# Altium PCB Graviton-RB1.PcbDoc (part 10 of 11)
Units mil, origin at the board's own origin, x right, y up, seen from the top; angles counter-clockwise.
Board outline 7874.02 x 7874.02 mil, 10 copper layers (Top Layer, Internal Plane 1, Signal Layer 1, Internal Plane 2, Signal Layer 2, Signal Layer 3, Internal Plane 3, Signal Layer 4, Internal Plane 4, Bottom Layer), stack 65.914 mil thick; 1299 components, 1517 nets, 7968 pads, 1791 vias.
Unrouted connection lines stored in the file: 4618.
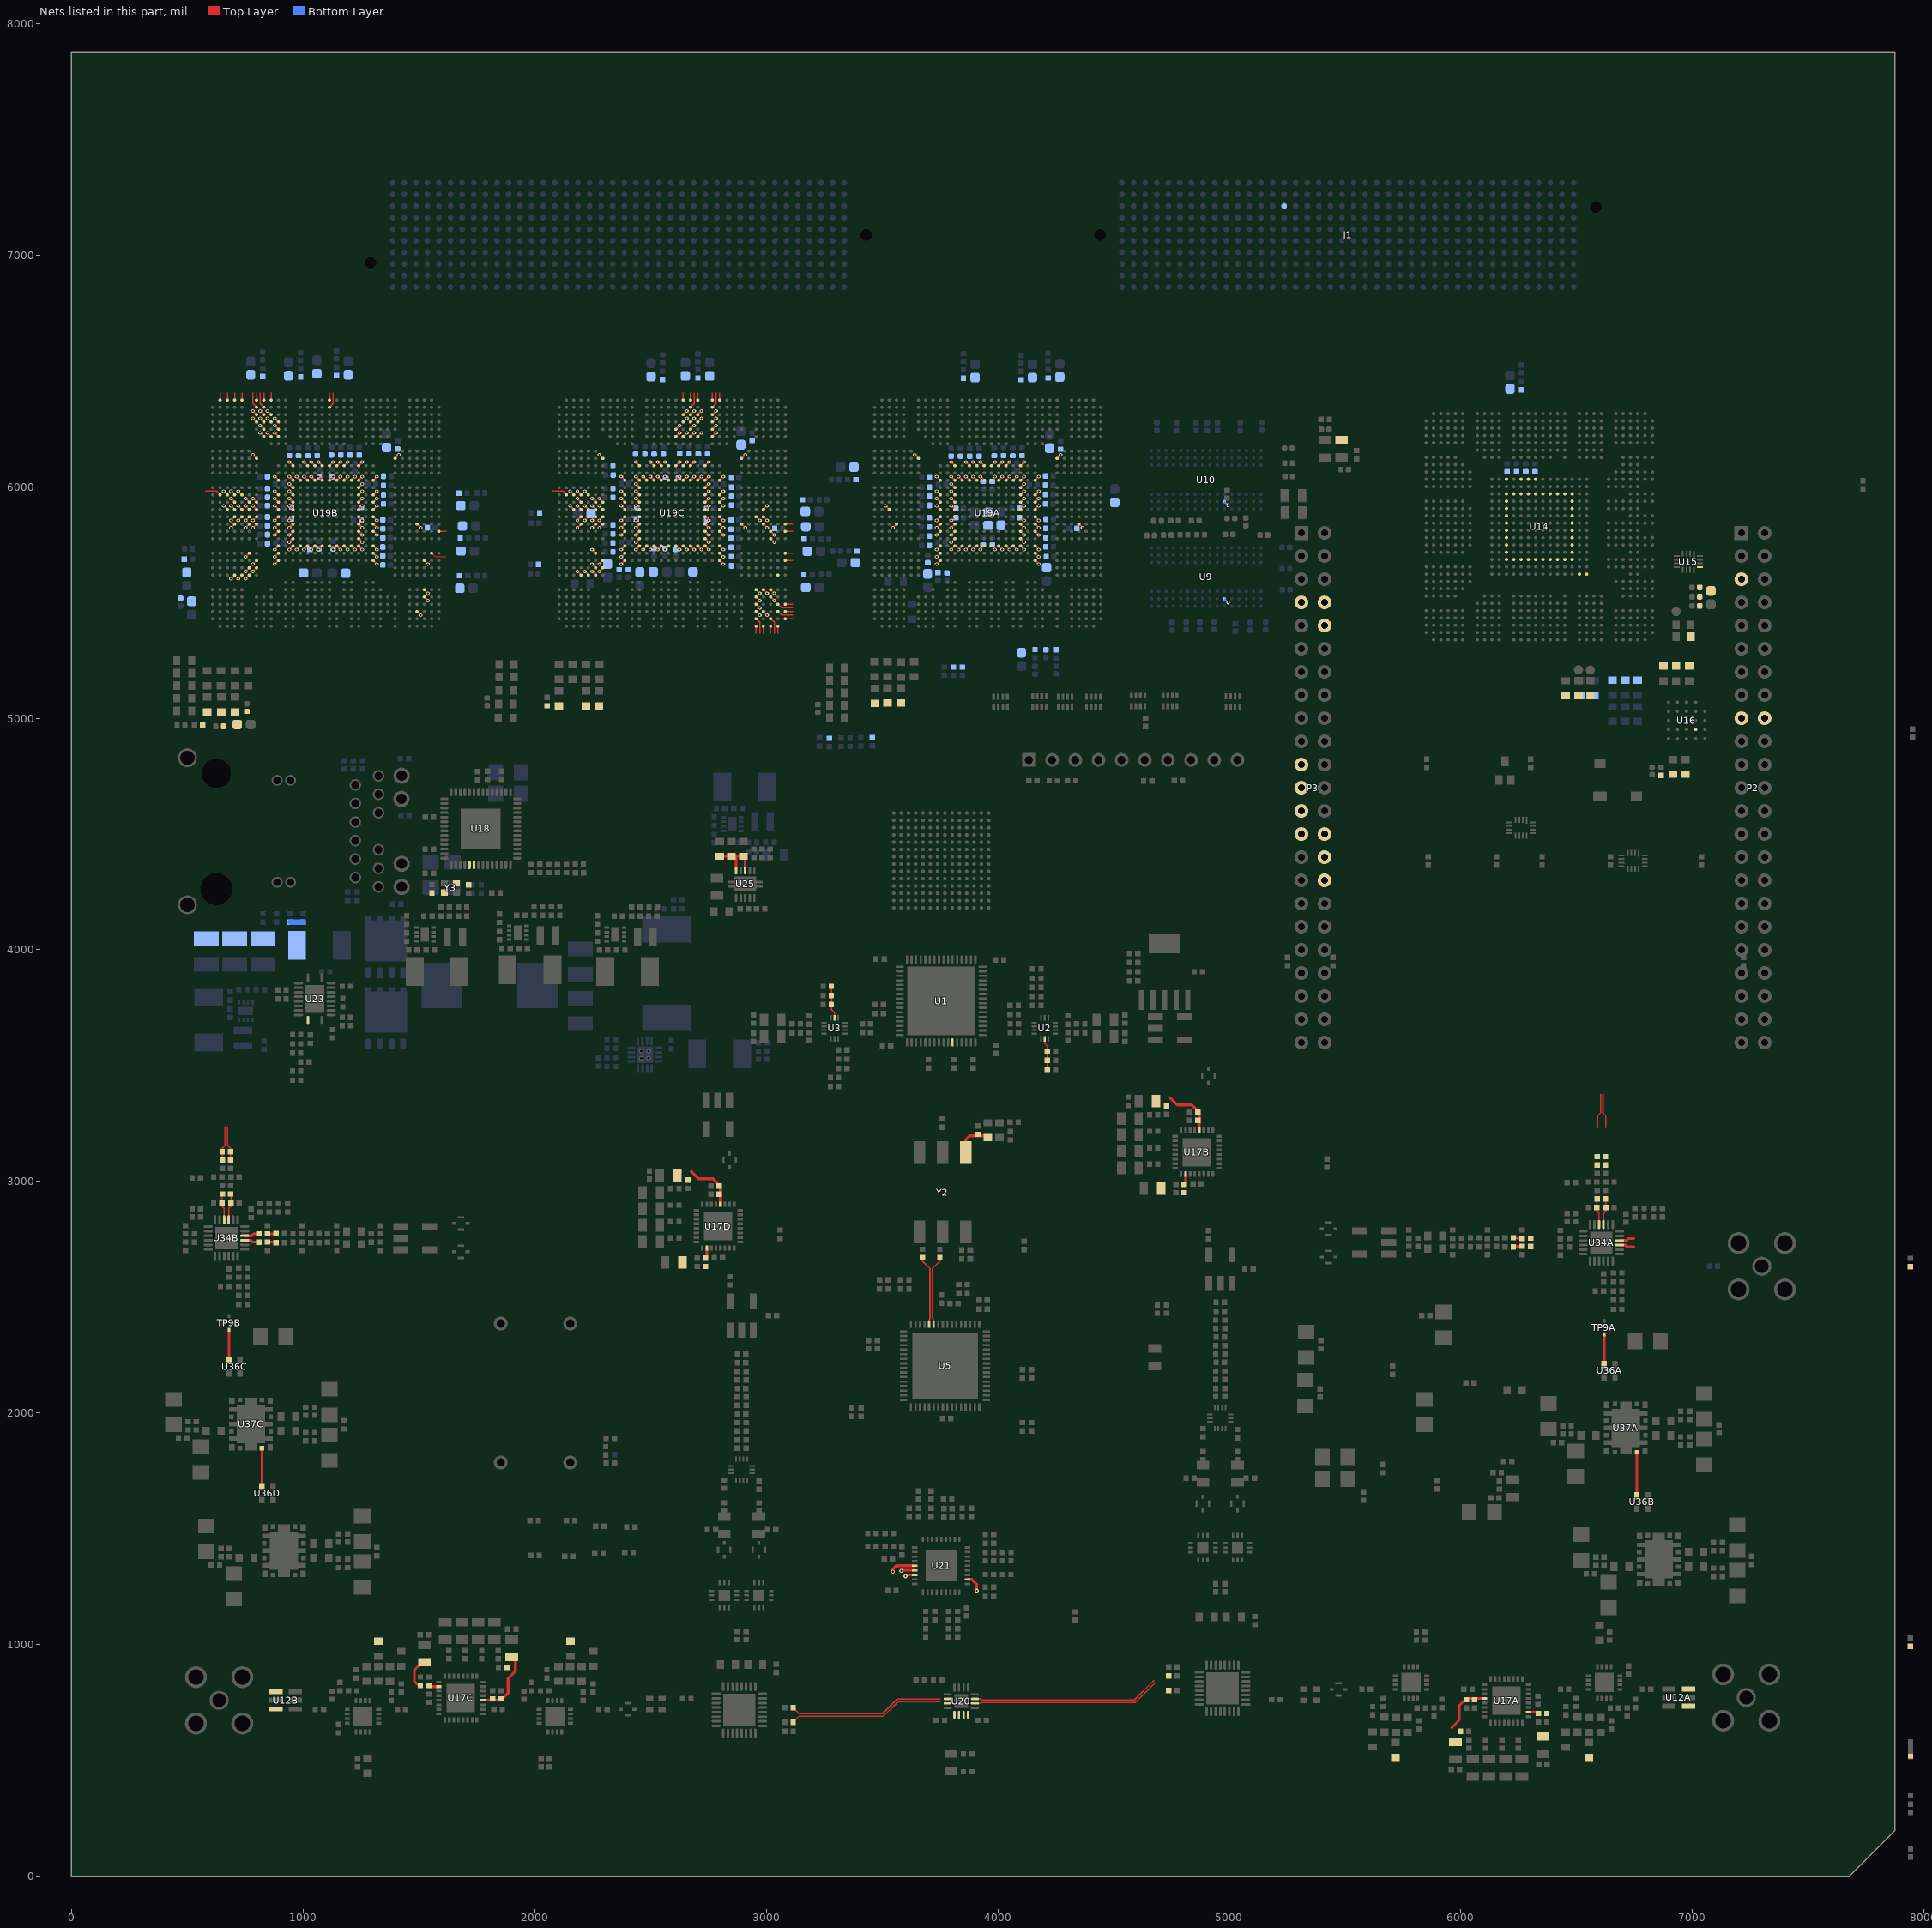
[diagram p18: the nets of this part, all layers, seen from the top]

## Via types
v1: diameter 16, hole 8, Top Layer to Bottom Layer, 1443 vias
v2: diameter 16, hole 8, Top Layer to Bottom Layer, tented top, 173 vias
v3: diameter 18, hole 8, Top Layer to Bottom Layer, 86 vias
v4: diameter 25.98, hole 8, Top Layer to Bottom Layer, tented top, 36 vias
v5: diameter 25.98, hole 12, Top Layer to Bottom Layer, tented top, 36 vias
v6: diameter 23.62, hole 11.81, Top Layer to Bottom Layer, 10 vias
v7: diameter 18, hole 8, Top Layer to Bottom Layer, tented bottom, 5 vias
v8: diameter 16, hole 8, Top Layer to Bottom Layer, tented both sides, 2 vias

## Nets (pads, with @x,y where several pads share a name; then routed paths per layer and width w, separated by ;. In a path a pad name is that pad's centre, name@x,y a point inside that pad or via, vN(x,y) a via of type N, cw(c..) or ccw(c..) an arc to the next point about the centre after c; other vN are vias at no path point) (continued)
RX2-BANK3-DQS32.DQM3: U19B.W32 | length 32.1
  Top Layer w4.72: U19B.W32@1586.61,5807.09 1618.7,5807.09
RX2-BANK3-DQS32.DQS3_N: U19B.AB31 | length 70.1
  Top Layer w2.99: U19B.AB31@1555.12,5712.6 1570.87,5696.85 1618.7,5696.85
RX2-BANK3-DQS32.DQS3_P: U19B.AC30 | length 22.3
  Top Layer w2.99: U19B.AC30@1523.62,5681.1 v1(1539.37,5665.35)
RX2-BANK4-DB3.B0: U19B.AH30 | length 22.3
  Top Layer w5: U19B.AH30@1523.62,5523.62 v1(1539.37,5507.87)
RX2-BANK4-DB3.B1: U19B.AG30 | length 22.3
  Top Layer w5: U19B.AG30@1523.62,5555.12 v1(1539.37,5539.37)
RX2-BANK4-DB3.B2: U19B.AK29 | length 22.3
  Top Layer w5: U19B.AK29@1492.13,5460.63 v1(1507.87,5444.88)
RX2-DDRCC6.S0: U19B.P5 | length 22.3
  Top Layer w5: v1(720.47,5980.32) U19B.P5@736.22,5964.57
RX2-DDRCC6.S1: U19B.P4 | length 22.3
  Top Layer w5: v1(688.98,5980.32) U19B.P4@704.72,5964.57
RX2-DDRCC6.S2: U19B.R7 | length 22.3
  Top Layer w5: v1(783.46,5948.82) U19B.R7@799.21,5933.07
RX2-DDRCC6.S3: U19B.T7 | length 22.3
  Top Layer w5: v1(783.46,5917.32) U19B.T7@799.21,5901.57
RX2-DDRCC6.S4: U19B.R6 | length 22.3
  Top Layer w5: v1(751.97,5948.82) U19B.R6@767.72,5933.07
RX2-DDRCC6.S5: U19B.T6 | length 22.3
  Top Layer w5: v1(751.97,5917.32) U19B.T6@767.72,5901.57
RX2-DDRCC6.S6: U19B.U6 | length 22.3
  Top Layer w5: v1(751.97,5854.33) U19B.U6@767.72,5870.08
RX2-DDRCC6.S7: U19B.U7 | length 22.3
  Top Layer w5: v1(783.46,5854.33) U19B.U7@799.21,5870.08
RX2-DDRCC6.S8: U19B.R4 | length 22.3
  Top Layer w5: v1(688.98,5948.82) U19B.R4@704.72,5933.07
RX2-DDRCC6.S9: U19B.T5 | length 22.3
  Top Layer w5: v1(720.47,5917.32) U19B.T5@736.22,5901.57
RX2-DDRCC6.S10: U19B.T4 | length 22.3
  Top Layer w5: v1(688.98,5917.32) U19B.T4@704.72,5901.57
RX2-DDRCC6.S11: U19B.U5 | length 22.3
  Top Layer w5: v1(720.47,5854.33) U19B.U5@736.22,5870.08
RX2-DDRCC6.S12: U19B.U4 | length 22.3
  Top Layer w5: v1(688.98,5854.33) U19B.U4@704.72,5870.08
RX2-DDRCC6.S13: U19B.V6 | length 22.3
  Top Layer w5: v1(751.97,5822.83) U19B.V6@767.72,5838.58
RX2-DDRCC6.S14: U19B.V7 | length 22.3
  Top Layer w5: v1(783.46,5822.83) U19B.V7@799.21,5838.58
RX2-DDRCC6.S15: U19B.P2 | length 70.1
  Top Layer w4.72: 578.15,5980.32 625.98,5980.32 U19B.P2@641.73,5964.57
RX2-DDRCC6.S16: U19B.P3 | length 22.3
  Top Layer w5: v1(657.48,5980.32) U19B.P3@673.23,5964.57
RX2-DDRCC6.S40: U19B.AB6 | length 22.3
  Top Layer w5: v1(751.97,5696.85) U19B.AB6@767.72,5712.6
RX2-DDRCC6.S41: U19B.AC7 | length 22.3
  Top Layer w5: v1(783.46,5665.35) U19B.AC7@799.21,5681.1
RX2-DDRCC6.S42: U19B.AD7 | length 22.3
  Top Layer w5: v1(783.46,5633.86) U19B.AD7@799.21,5649.61
RX2-DDRCC6.S43: U19B.AD6 | length 22.3
  Top Layer w5: v1(751.97,5633.86) U19B.AD6@767.72,5649.61
RX2-DDRCC6.S44: U19B.AE6 | length 22.3
  Top Layer w5: v1(751.97,5602.36) U19B.AE6@767.72,5618.11
RX2-DDRCC6.S45: U19B.AE5 | length 22.3
  Top Layer w5: v1(720.47,5602.36) U19B.AE5@736.22,5618.11
RX2-DDRCC6.S46: U19B.AE4 | length 22.3
  Top Layer w5: v1(688.98,5602.36) U19B.AE4@704.72,5618.11
RX-SWA: R182A.1 U11A.1 U12A.6
RX-SWB: R182B.1 U11B.1 U12B.6
RXLO0_N: C427A.1 R192.1 U20.9
RXLO0_P: C428A.2 R191.1 U20.10
RXLO1_N: C427B.1 R194.1 U20.6 | length 671.3
  Top Layer w5.98: C427B.1@3116.34,665.35 3142.34,691.36 3507.09,691.36 3569.67,753.94 3750.98,753.94
RXLO1_P: C428B.2 R193.1 U20.7 | length 671.3
  Top Layer w5.98: C428B.2@3116.34,728.35 3142.34,702.34 3502.54,702.34 3565.12,764.92 3750.98,764.92
SDRCC0.S0B: U19B.A17 | length 32.1
  Top Layer w4.72: U19B.A17@1114.17,6374.02 1114.17,6406.1
SDRCC0.S1B: U19B.B17 | length 70.1
  Top Layer w4.72: U19B.B17@1114.17,6342.52 1129.92,6358.27 1129.92,6406.1
SDRCC0.S2B: U19B.A2 | length 32.1
  Top Layer w4.72: U19B.A2@641.73,6374.02 641.73,6406.1
SDRCC0.S3B: U19B.A3 | length 32.1
  Top Layer w4.72: U19B.A3@673.23,6374.02 673.23,6406.1
SDRCC0.S4B: U19B.A4 | length 32.1
  Top Layer w4.72: U19B.A4@704.72,6374.02 704.72,6406.1
SDRCC0.S5B: U19B.A5 | length 32.1
  Top Layer w4.72: U19B.A5@736.22,6374.02 736.22,6406.1
SDRCC0.S6B: U19B.D7 | length 22.3
  Top Layer w5: v1(783.46,6295.28) U19B.D7@799.21,6279.53
SDRCC0.S7B: U19B.C7 | length 22.3
  Top Layer w5: v1(783.46,6326.77) U19B.C7@799.21,6311.02
SDRCC0.S8B: U19B.B7 | length 70.1
  Top Layer w4.72: 783.46,6406.1 783.46,6358.27 U19B.B7@799.21,6342.52
SDRCC0.S9B: U19B.A7 | length 32.1
  Top Layer w4.72: U19B.A7@799.21,6374.02 799.21,6406.1
SDRCC0.S10B: U19B.F8 | length 22.3
  Top Layer w5: v1(814.96,6232.28) U19B.F8@830.71,6216.54
SDRCC0.S11B: U19B.E8 | length 22.3
  Top Layer w5: v1(814.96,6263.78) U19B.E8@830.71,6248.03
SDRCC0.S12B: U19B.D8 | length 22.3
  Top Layer w5: v1(814.96,6295.28) U19B.D8@830.71,6279.53
SDRCC0.S13B: U19B.C8 | length 22.3
  Top Layer w5: v1(814.96,6326.77) U19B.C8@830.71,6311.02
SDRCC0.S14B: U19B.B8 | length 70.1
  Top Layer w4.72: 814.96,6406.1 814.96,6358.27 U19B.B8@830.71,6342.52
SDRCC0.S15B: U19B.A8 | length 32.1
  Top Layer w4.72: U19B.A8@830.71,6374.02 830.71,6406.1
SDRCC0.S16B: U19B.F9 | length 22.3
  Top Layer w5: v1(846.46,6232.28) U19B.F9@862.2,6216.54
SDRCC0.S17B: U19B.D9 | length 22.3
  Top Layer w5: v1(846.46,6295.28) U19B.D9@862.2,6279.53
SDRCC0.S18B: U19B.C9 | length 22.3
  Top Layer w5: v1(846.46,6326.77) U19B.C9@862.2,6311.02
SDRCC0.S19B: U19B.A9 | length 32.1
  Top Layer w4.72: U19B.A9@862.2,6374.02 862.2,6406.1
SDRCC0.S20B: U19B.F10 | length 22.3
  Top Layer w5: v1(877.95,6232.28) U19B.F10@893.7,6216.54
SDRCC0.S21B: U19B.E10 | length 22.3
  Top Layer w5: v1(877.95,6263.78) U19B.E10@893.7,6248.03
SDRCC0.S22B: U19B.D10 | length 22.3
  Top Layer w5: v1(877.95,6295.28) U19B.D10@893.7,6279.53
SDRCC1.S0C: U19C.E17 | length 22.3
  Top Layer w5: U19C.E17@2610.24,6248.03 v1(2625.98,6263.78)
SDRCC1.S1C: U19C.F17 | length 22.3
  Top Layer w5: U19C.F17@2610.24,6216.54 v1(2625.98,6232.28)
SDRCC1.S2C: U19C.A18 | length 32.1
  Top Layer w4.72: U19C.A18@2641.73,6374.02 2641.73,6406.1
SDRCC1.S3C: U19C.C18 | length 22.3
  Top Layer w5: U19C.C18@2641.73,6311.02 v1(2657.48,6326.77)
SDRCC1.S4C: U19C.D18 | length 22.3
  Top Layer w5: U19C.D18@2641.73,6279.53 v1(2657.48,6295.28)
SDRCC1.S5C: U19C.F18 | length 22.3
  Top Layer w5: U19C.F18@2641.73,6216.54 v1(2657.48,6232.28)
SDRCC1.S6C: U19C.A19 | length 32.1
  Top Layer w4.72: U19C.A19@2673.23,6374.02 2673.23,6406.1
SDRCC1.S7C: U19C.B19 | length 70.1
  Top Layer w4.72: U19C.B19@2673.23,6342.52 2688.98,6358.27 2688.98,6406.1
SDRCC1.S8C: U19C.C19 | length 22.3
  Top Layer w5: U19C.C19@2673.23,6311.02 v1(2688.98,6326.77)
SDRCC1.S9C: U19C.D19 | length 22.3
  Top Layer w5: U19C.D19@2673.23,6279.53 v1(2688.98,6295.28)
SDRCC1.S10C: U19C.E19 | length 22.3
  Top Layer w5: U19C.E19@2673.23,6248.03 v1(2688.98,6263.78)
SDRCC1.S11C: U19C.F19 | length 22.3
  Top Layer w5: U19C.F19@2673.23,6216.54 v1(2688.98,6232.28)
SDRCC1.S12C: U19C.A20 | length 32.1
  Top Layer w4.72: U19C.A20@2704.72,6374.02 2704.72,6406.1
SDRCC1.S13C: U19C.C20 | length 22.3
  Top Layer w5: U19C.C20@2704.72,6311.02 v1(2720.47,6326.77)
SDRCC1.S14C: U19C.D20 | length 22.3
  Top Layer w5: U19C.D20@2704.72,6279.53 v1(2720.47,6295.28)
SDRCC1.S15C: U19C.F20 | length 22.3
  Top Layer w5: U19C.F20@2704.72,6216.54 v1(2720.47,6232.28)
SDRCC1.S16C: U19C.A22 | length 32.1
  Top Layer w4.72: U19C.A22@2767.72,6374.02 2767.72,6406.1
SDRCC1.S17C: U19C.B22 | length 70.1
  Top Layer w4.72: U19C.B22@2767.72,6342.52 2783.46,6358.27 2783.46,6406.1
SDRCC1.S18C: U19C.C22 | length 22.3
  Top Layer w5: U19C.C22@2767.72,6311.02 v1(2783.46,6326.77)
SDRCC1.S19C: U19C.D22 | length 22.3
  Top Layer w5: U19C.D22@2767.72,6279.53 v1(2783.46,6295.28)
SDRCC1.S20C: U19C.E22 | length 22.3
  Top Layer w5: U19C.E22@2767.72,6248.03 v1(2783.46,6263.78)
SDRCC1.S21C: U19C.F22 | length 22.3
  Top Layer w5: U19C.F22@2767.72,6216.54 v1(2783.46,6232.28)
SDRCC1.S22C: U19C.A23 | length 32.1
  Top Layer w4.72: U19C.A23@2799.21,6374.02 2799.21,6406.1
SPI1_CS0: P3.28
SPI1_D1: P3.30
SYNTH-CTRL.CE: P3.21 U21.11 | length 76
  Top Layer w11.81: U21.11@3870.08,1281.69 3887.6,1281.69 3909.45,1259.84 v3(3909.45,1232.28)
SYNTH-CTRL.CLK: P3.23 U21.33 | length 56.9
  Top Layer w11.81: v3@3584.84,1321.06 U21.33@3641.73,1321.06
  other v3: 3582.68,1318.9
SYNTH-CTRL.DATA: P3.25 U21.32 | length 112.1
  Top Layer w11.81: v3(3547.24,1314.96) 3547.24,1326.77 3561.22,1340.75 U21.32@3641.73,1340.75
SYNTH-CTRL.LE: P3.27 U21.34 | length 41.9
  Top Layer w11.81: v3(3602.36,1295.28) 3608.46,1301.38 U21.34@3641.73,1301.38
SYS_5V: P3.7 P3.8
SYS_RESETN: P3.10
TPSVDD: C345.1 R94.2 U23.10
TRANSMIT: J1.253 P2.5 R185A.2 R185B.2 U11A.2 U11B.2 U19A.T3 U19B.T3 U19C.T3 | length 66.8
  Top Layer w5: v1(657.48,5917.32) U19B.T3@673.23,5901.57 ; v1(2153.54,5917.32) U19C.T3@2169.29,5901.57 ; v1(3515.75,5917.32) U19A.T3@3531.5,5901.57
TX2-BANK3-DDRCTRL.CASN: U19C.W30 | length 22.3
  Top Layer w5: U19C.W30@3019.68,5807.09 v1(3035.43,5791.34)
TX2-BANK3-DDRCTRL.CKE: U19C.U28 | length 22.3
  Top Layer w5: U19C.U28@2956.69,5870.08 v1(2972.44,5854.33)
TX2-BANK3-DDRCTRL.CLK_N: U19C.AC32 | length 32.1
  Top Layer w4.72: U19C.AC32@3082.68,5681.1 3114.76,5681.1
TX2-BANK3-DDRCTRL.CLK_P: U19C.AB32 | length 32.1
  Top Layer w4.72: U19C.AB32@3082.68,5712.6 3114.76,5712.6
TX2-BANK3-DDRCTRL.CSN: U19C.U29 | length 22.3
  Top Layer w5: U19C.U29@2988.19,5870.08 v1(3003.94,5854.33)
TX2-BANK3-DDRCTRL.ODT: U19C.V26 | length 22.3
  Top Layer w5: U19C.V26@2893.7,5838.58 v1(2909.45,5822.83)
TX2-BANK3-DDRCTRL.RASN: U19C.Y30 | length 22.3
  Top Layer w5: U19C.Y30@3019.68,5775.59 v1(3035.43,5759.84)
TX2-BANK3-DDRCTRL.RSTN: U19C.T29 | length 22.3
  Top Layer w5: U19C.T29@2988.19,5901.57 v1(3003.94,5917.32)
TX2-BANK3-DDRCTRL.WEN: U19C.AE31
TX2-BANK3-DQS32.DQM2: U19C.V32 | length 32.1
  Top Layer w4.72: U19C.V32@3082.68,5838.58 3114.76,5838.58
TX2-BANK3-DQS32.DQM3: U19C.W32 | length 32.1
  Top Layer w4.72: U19C.W32@3082.68,5807.09 3114.76,5807.09
TX2-BANK4-DA16.A0: U19C.AM28 | length 32.1
  Top Layer w4.72: 2956.69,5365.55 U19C.AM28@2956.69,5397.64
TX2-BANK4-DA16.A1: U19C.AM29 | length 32.1
  Top Layer w4.72: 2988.19,5365.55 U19C.AM29@2988.19,5397.64
TX2-BANK4-DA16.A2: U19C.AL28 | length 70.1
  Top Layer w4.72: U19C.AL28@2956.69,5429.13 2972.44,5413.39 2972.44,5365.55
TX2-BANK4-DA16.A3: U19C.AK28 | length 22.3
  Top Layer w5: U19C.AK28@2956.69,5460.63 v1(2972.44,5444.88)
TX2-BANK4-DA16.A4: U19C.AK32 | length 32.1
  Top Layer w4.72: U19C.AK32@3082.68,5460.63 3114.76,5460.63
TX2-BANK4-DA16.A5: U19C.AJ32 | length 32.1
  Top Layer w4.72: U19C.AJ32@3082.68,5492.13 3114.76,5492.13
TX2-BANK4-DA16.A6: U19C.AM30 | length 32.1
  Top Layer w4.72: 3019.68,5365.55 U19C.AM30@3019.68,5397.64
TX2-BANK4-DA16.A7: U19C.AL30 | length 70.1
  Top Layer w4.72: U19C.AL30@3019.68,5429.13 3035.43,5413.39 3035.43,5365.55
TX2-BANK4-DA16.A8: U19C.AK31 | length 70.1
  Top Layer w4.72: U19C.AK31@3051.18,5460.63 3066.93,5444.88 3114.76,5444.88
TX2-BANK4-DA16.A9: U19C.AJ31 | length 70.1
  Top Layer w4.72: U19C.AJ31@3051.18,5492.13 3066.93,5476.38 3114.76,5476.38
TX2-BANK4-DA16.A10: U19C.AM31 | length 32.1
  Top Layer w4.72: 3051.18,5365.55 U19C.AM31@3051.18,5397.64
TX2-BANK4-DA16.A11: U19C.AL32 | length 32.1
  Top Layer w4.72: U19C.AL32@3082.68,5429.13 3114.76,5429.13
TX2-BANK4-DA16.A12: U19C.AG28 | length 22.3
  Top Layer w5: U19C.AG28@2956.69,5555.12 v1(2972.44,5539.37)
TX2-BANK4-DA16.A13: U19C.AG29 | length 22.3
  Top Layer w5: U19C.AG29@2988.19,5555.12 v1(3003.94,5539.37)
TX2-BANK4-DA16.A14: U19C.AJ28 | length 22.3
  Top Layer w5: U19C.AJ28@2956.69,5492.13 v1(2972.44,5476.38)
TX2-BANK4-DA16.A15: U19C.AH28 | length 22.3
  Top Layer w5: U19C.AH28@2956.69,5523.62 v1(2972.44,5507.87)
TX2-BANK4-DB3.B0: U19C.AH30 | length 22.3
  Top Layer w5: U19C.AH30@3019.68,5523.62 v1(3035.43,5507.87)
TX2-BANK4-DB3.B1: U19C.AG30 | length 22.3
  Top Layer w5: U19C.AG30@3019.68,5555.12 v1(3035.43,5539.37)
TX2-BANK4-DB3.B2: U19C.AK29 | length 22.3
  Top Layer w5: U19C.AK29@2988.19,5460.63 v1(3003.94,5444.88)
TX2-DDRCC6.S0: U19C.P5 | length 22.3
  Top Layer w5: v1(2216.54,5980.32) U19C.P5@2232.28,5964.57
TX2-DDRCC6.S1: U19C.P4 | length 22.3
  Top Layer w5: v1(2185.04,5980.32) U19C.P4@2200.79,5964.57
TX2-DDRCC6.S2: U19C.R7 | length 22.3
  Top Layer w5: v1(2279.53,5948.82) U19C.R7@2295.28,5933.07
TX2-DDRCC6.S3: U19C.T7 | length 22.3
  Top Layer w5: v1(2279.53,5917.32) U19C.T7@2295.28,5901.57
TX2-DDRCC6.S4: U19C.R6 | length 22.3
  Top Layer w5: v1(2248.03,5948.82) U19C.R6@2263.78,5933.07
TX2-DDRCC6.S5: U19C.T6 | length 22.3
  Top Layer w5: v1(2248.03,5917.32) U19C.T6@2263.78,5901.57
TX2-DDRCC6.S6: U19C.U6 | length 22.3
  Top Layer w5: v1(2248.03,5854.33) U19C.U6@2263.78,5870.08
TX2-DDRCC6.S7: U19C.U7 | length 22.3
  Top Layer w5: v1(2279.53,5854.33) U19C.U7@2295.28,5870.08
TX2-DDRCC6.S8: U19C.R4 | length 22.3
  Top Layer w5: v1(2185.04,5948.82) U19C.R4@2200.79,5933.07
TX2-DDRCC6.S9: U19C.T5 | length 22.3
  Top Layer w5: v1(2216.54,5917.32) U19C.T5@2232.28,5901.57
TX2-DDRCC6.S10: U19C.T4 | length 22.3
  Top Layer w5: v1(2185.04,5917.32) U19C.T4@2200.79,5901.57
TX2-DDRCC6.S11: U19C.U5 | length 22.3
  Top Layer w5: v1(2216.54,5854.33) U19C.U5@2232.28,5870.08
TX2-DDRCC6.S12: U19C.U4 | length 22.3
  Top Layer w5: v1(2185.04,5854.33) U19C.U4@2200.79,5870.08
TX2-DDRCC6.S13: U19C.V6 | length 22.3
  Top Layer w5: v1(2248.03,5822.83) U19C.V6@2263.78,5838.58
TX2-DDRCC6.S14: U19C.V7 | length 22.3
  Top Layer w5: v1(2279.53,5822.83) U19C.V7@2295.28,5838.58
TX2-DDRCC6.S15: U19C.P2 | length 70.1
  Top Layer w4.72: 2074.21,5980.32 2122.05,5980.32 U19C.P2@2137.8,5964.57
TX2-DDRCC6.S16: U19C.P3 | length 22.3
  Top Layer w5: v1(2153.54,5980.32) U19C.P3@2169.29,5964.57
TX2-DDRCC6.S40: U19C.AB6 | length 22.3
  Top Layer w5: v1(2248.03,5728.35) U19C.AB6@2263.78,5712.6
TX2-DDRCC6.S41: U19C.AC7 | length 22.3
  Top Layer w5: v1(2279.53,5665.35) U19C.AC7@2295.28,5681.1
TX2-DDRCC6.S42: U19C.AD7 | length 22.3
  Top Layer w5: v1(2279.53,5633.86) U19C.AD7@2295.28,5649.61
TX2-DDRCC6.S43: U19C.AD6 | length 22.3
  Top Layer w5: v1(2248.03,5665.35) U19C.AD6@2263.78,5649.61
TX2-DDRCC6.S44: U19C.AE6 | length 22.3
  Top Layer w5: v1(2248.03,5633.86) U19C.AE6@2263.78,5618.11
TX2-DDRCC6.S45: U19C.AE5 | length 22.3
  Top Layer w5: v1(2216.54,5633.86) U19C.AE5@2232.28,5618.11
TX2-DDRCC6.S46: U19C.AE4 | length 22.3
  Top Layer w5: v1(2185.04,5633.86) U19C.AE4@2200.79,5618.11
TX-SWA: R186A.1 U11A.7 U12A.4
TX-SWB: R186B.1 U11B.7 U12B.4
TXBBICA_N: C410A.1 R134A.2 R136A.1 U34A.22 | length 99.4
  Top Layer w11.81: R134A.2@6228.74,2719.68 R136A.1@6263.78,2719.68 ; U34A.22@6685.04,2745.08 6714.57,2745.08 6722.64,2753.15 6746.06,2753.15
TXBBICA_P: C410A.2 R133A.2 R137A.2 U34A.21 | length 99.4
  Top Layer w11.81: R133A.2@6228.74,2754.72 R137A.2@6263.78,2754.72 ; U34A.21@6685.04,2725.39 6710.63,2725.39 6718.7,2717.32 6746.06,2717.32
TXBBICB_N: C410B.1 R134B.2 R136B.1 U34B.22 | length 99.4
  Top Layer w11.81: U34B.22@748.03,2765.75 777.56,2765.75 785.63,2773.82 C410B.1@809.06,2773.82 ; R136B.1@846.46,2773.43 R134B.2@881.5,2773.43
TXBBICB_P: C410B.2 R133B.2 R137B.2 U34B.21 | length 99.4
  Top Layer w11.81: U34B.21@748.03,2746.06 773.62,2746.06 781.69,2737.99 C410B.2@809.06,2737.99 ; R137B.2@846.46,2738.39 R133B.2@881.5,2738.39
TXLO0_N: C423A.2 R139A.1 R188.1 U20.14 | length 960.1
  Top Layer w5.98: U20.14@3905.51,746.06 3926.22,746.06 3930.57,750.41 4594.69,750.41 4680.01,835.74 ; 6590.35,3268.7 6590.35,3283.5 6602.78,3295.92 6602.78,3375.98 ; 6590.55,3232.48 6590.55,3268.5
TXLO0_P: C418A.2 R139A.2 R143.1 U20.15 | length 951
  Top Layer w5.98: U20.15@3905.51,765.75 3926.22,765.75 3930.57,761.4 4590.14,761.4 4672.24,843.5 ; 6613.76,3375.98 6613.76,3295.93 6626.18,3283.5 6626.18,3268.7 ; 6625.98,3232.48 6625.98,3268.5
TXLO1_N: C423B.2 R139B.1 R189.1 U20.12 | length 148.5
  Top Layer w5.98: R139B.1@651.38,3127.95 651.38,3142.76 663.8,3155.18 663.8,3235.24 ; C423B.2@651.57,3091.73 R139B.1@651.57,3127.76
TXLO1_P: C418B.2 R139B.2 R190.1 U20.11 | length 148.5
  Top Layer w5.98: 674.78,3235.24 674.78,3155.18 687.2,3142.76 R139B.2@687.2,3127.95 ; C418B.2@687.01,3091.73 R139B.2@687.01,3127.76
TXLOICA_N: C425A.2 R140A.2 U34A.4 | length 113.2
  Top Layer w5.98: R140A.2@6586.81,2923.23 C425A.2@6586.81,2887.8 6586.81,2872.99 6596.46,2863.35 U34A.4@6596.46,2813.98
TXLOICA_P: C420A.2 R138A.2 U34A.3 | length 113.2
  Top Layer w5.98: U34A.3@6616.14,2813.98 6616.14,2863.35 6625.79,2872.99 C420A.2@6625.79,2887.8 R138A.2@6625.79,2923.23
TXLOICB_N: C425B.2 R140B.2 U34B.4 | length 113.2
  Top Layer w5.98: R140B.2@649.8,2943.9 C425B.2@649.8,2908.46 649.8,2893.66 659.45,2884.02 U34B.4@659.45,2834.65
TXLOICB_P: C420B.2 R138B.2 U34B.3 | length 113.2
  Top Layer w5.98: U34B.3@679.13,2834.65 679.13,2884.02 688.78,2893.66 C420B.2@688.78,2908.46 R138B.2@688.78,2943.9
TXPA-INA: TP9A.A U36A.1 | length 135.8
  Top Layer w11.81: U36A.1@6618.11,2203.74 TP9A.A@6618.11,2339.57
TXPA-INB: U36B.1 U37A.16 | length 187.2
  Top Layer w11.81: U36B.1@6759.84,1643.7 U37A.16@6759.84,1826.77 ; U37A.16@6759.84,1830.71 U37A.16@6762.8,1827.76
TXPA-INC: TP9B.A U36C.1 | length 135.8
  Top Layer w11.81: U36C.1@681.1,2224.41 TP9B.A@681.1,2360.24
TXPA-IND: U36D.1 U37C.16 | length 167.3
  Top Layer w11.81: U36D.1@822.83,1681.1 U37C.16@822.83,1848.43
UART0-RX: P2.18
UART0-TX: P2.17
V0V75: U19A.J7 U19B.J7 U19C.J7 | length 66.8
  Top Layer w5: v1(783.46,6137.8) U19B.J7@799.21,6122.05 ; v1(2279.53,6137.8) U19C.J7@2295.28,6122.05 ; v1(3641.73,6137.8) U19A.J7@3657.48,6122.05
VCC-CORE: C172.2 C173.2 C174.2 C175.2 C176.2 C177.2 C178.2 C179.2 C180.2 C181.2 C182.2 C183.2 L18.2 U14.AA12 U14.AA13 U14.AA14 U14.AA15 U14.AA16 U14.AA17 U14.AA18 U14.AA19 U14.AA20 U14.AA21 U14.M12 U14.M13 U14.M14 U14.M15 U14.M16 U14.M17 U14.M18 U14.M19 U14.M20 U14.M21 U14.N12 U14.N21 U14.P12 U14.P21 U14.R12 U14.R21 U14.T12 U14.T21 U14.U12 U14.U21 U14.V12 U14.V21 U14.W12 U14.W21 U14.Y12 U14.Y21
VCC-COREA: C279A.2 C284A.2 C285A.2 C286A.2 C287A.2 C288A.2 C289A.2 C290A.2 C291A.2 C292A.2 C293A.2 C294A.2 L28A.2 U19A.AA12 U19A.AA13 U19A.AA14 U19A.AA15 U19A.AA16 U19A.AA17 U19A.AA18 U19A.AA19 U19A.AA20 U19A.AA21 U19A.M12 U19A.M13 U19A.M14 U19A.M15 U19A.M16 U19A.M17 U19A.M18 U19A.M19 U19A.M20 U19A.M21 U19A.N12 U19A.N21 U19A.P12 U19A.P21 U19A.R12 U19A.R21 U19A.T12 U19A.T21 U19A.U12 U19A.U21 U19A.V12 U19A.V21 U19A.W12 U19A.W21 U19A.Y12 U19A.Y21 | length 801.8
  Top Layer w5: v1(3799.21,5728.35) U19A.AA12@3814.96,5744.09 ; v1(3799.21,5759.84) U19A.Y12@3814.96,5775.59 ; v1(3799.21,5791.34) U19A.W12@3814.96,5807.09 ; v1(3799.21,5822.83) U19A.V12@3814.96,5838.58 ; v1(3799.21,5854.33) U19A.U12@3814.96,5870.08 ; v1(3799.21,5917.32) U19A.T12@3814.96,5901.57 ; v1(3799.21,5948.82) U19A.R12@3814.96,5933.07 ; v1(3799.21,5980.32) U19A.P12@3814.96,5964.57 ; v1(3799.21,6011.81) U19A.N12@3814.96,5996.06 ; v1(3799.21,6043.31) U19A.M12@3814.96,6027.56 ; v1(3830.71,5728.35) U19A.AA13@3846.46,5744.09 ; v1(3830.71,6043.31) U19A.M13@3846.46,6027.56 ; v1(3862.2,5728.35) U19A.AA14@3877.95,5744.09 ; v1(3862.2,6043.31) U19A.M14@3877.95,6027.56 ; v1(3893.7,5728.35) U19A.AA15@3909.45,5744.09 ; v1(3893.7,6043.31) U19A.M15@3909.45,6027.56 ; v1(3925.2,5728.35) U19A.AA16@3940.94,5744.09 ; v1(3925.2,6043.31) U19A.M16@3940.94,6027.56 ; U19A.AA17@3972.44,5744.09 v1(3988.19,5728.35) ; U19A.M17@3972.44,6027.56 v1(3988.19,6043.31) ; U19A.AA18@4003.94,5744.09 v1(4019.68,5728.35) ; U19A.M18@4003.94,6027.56 v1(4019.68,6043.31) ; U19A.AA19@4035.43,5744.09 v1(4051.18,5728.35) ; U19A.M19@4035.43,6027.56 v1(4051.18,6043.31) ; U19A.AA20@4066.93,5744.09 v1(4082.68,5728.35) ; U19A.M20@4066.93,6027.56 v1(4082.68,6043.31) ; U19A.AA21@4098.43,5744.09 v1(4114.17,5728.35) ; U19A.Y21@4098.43,5775.59 v1(4114.17,5759.84) ; U19A.W21@4098.43,5807.09 v1(4114.17,5791.34) ; U19A.V21@4098.43,5838.58 v1(4114.17,5822.83) ; U19A.U21@4098.43,5870.08 v1(4114.17,5854.33) ; U19A.T21@4098.43,5901.57 v1(4114.17,5917.32) ; U19A.R21@4098.43,5933.07 v1(4114.17,5948.82) ; U19A.P21@4098.43,5964.57 v1(4114.17,5980.32) ; U19A.N21@4098.43,5996.06 v1(4114.17,6011.81) ; U19A.M21@4098.43,6027.56 v1(4114.17,6043.31)